# Altium PCB PA_8CH_CTRL.PcbDoc (part 2 of 11)
Units mil, origin at the board's own origin, x right, y up, seen from the top; angles counter-clockwise.
Board outline 15354.33 x 4330.71 mil, 4 copper layers (Component Side, Signal Layer 1, Power Plane, Solder Side), stack 63.149 mil thick; 907 components, 557 nets, 2683 pads, 1897 vias.
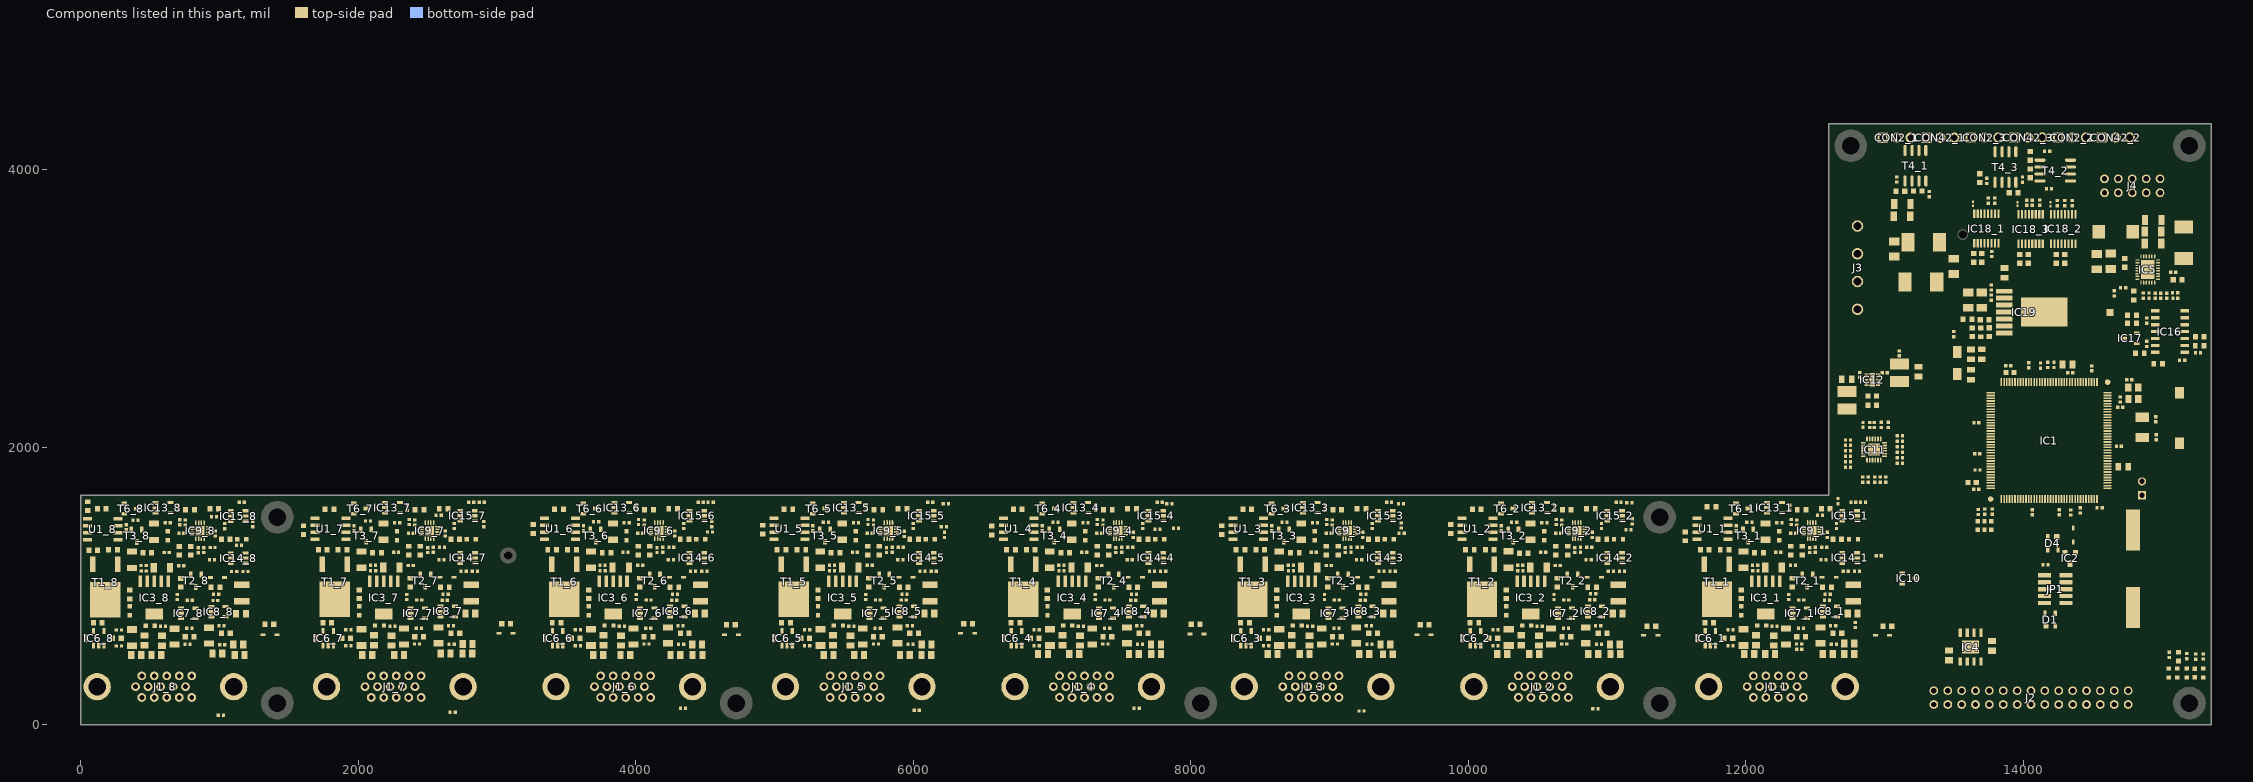
[diagram p4: the components of this part, seen from the top]

## Components (designator, comment, footprint, x,y, rotation, side; value= is the part's Value field where it differs from the comment) (continued)
R11_8 "10k" RESC1005X40N 592.91,710.71 r180 top (schematic designator R11)
R12_1 "56k" RESC1608X55N 11847.17,1262.14 r180 top (schematic designator R12)
R12_2 "56k" RESC1608X55N 10154.26,1262.14 r180 top (schematic designator R12)
R12_3 "56k" RESC1608X55N 8500.72,1262.14 r180 top (schematic designator R12)
R12_4 "56k" RESC1608X55N 6847.17,1262.14 r180 top (schematic designator R12)
R12_5 "56k" RESC1608X55N 5193.63,1262.14 r180 top (schematic designator R12)
R12_6 "56k" RESC1608X55N 3540.09,1262.14 r180 top (schematic designator R12)
R12_7 "56k" RESC1608X55N 1886.54,1262.14 r180 top (schematic designator R12)
R12_8 "56k" RESC1608X55N 233,1261 r180 top (schematic designator R12)
R13_1 "3k3" RESC1005X40N 12067.32,1149.84 r180 top (schematic designator R13)
R13_2 "3k3" RESC1005X40N 10374.41,1149.84 r180 top (schematic designator R13)
R13_3 "3k3" RESC1005X40N 8720.87,1149.84 r180 top (schematic designator R13)
R13_4 "3k3" RESC1005X40N 7067.32,1149.84 r180 top (schematic designator R13)
R13_5 "3k3" RESC1005X40N 5413.78,1149.84 r180 top (schematic designator R13)
R13_6 "3k3" RESC1005X40N 3760.24,1149.84 r180 top (schematic designator R13)
R13_7 "3k3" RESC1005X40N 2106.69,1149.84 r180 top (schematic designator R13)
R13_8 "3k3" RESC1005X40N 453.15,1148.7 r180 top (schematic designator R13)
R14 "0" RESC1005X40N 14655.51,3110.24 r270 top
R15 "10k" RESC1005X40N 15094.49,3115.16 r180 top
R16 "1M" RESC1005X40N 14863.86,3093.61 r90 top
R17_1 "56k" RESC1608X55N 12095,1240 r180 top (schematic designator R17)
R17_2 "56k" RESC1608X55N 10400,1238 r180 top (schematic designator R17)
R17_3 "56k" RESC1608X55N 8750,1240 r180 top (schematic designator R17)
R17_4 "56k" RESC1608X55N 7095,1240 r180 top (schematic designator R17)
R17_5 "56k" RESC1608X55N 5440,1240 r180 top (schematic designator R17)
R17_6 "56k" RESC1608X55N 3790,1240 r180 top (schematic designator R17)
R17_7 "56k" RESC1608X55N 2135,1240 r180 top (schematic designator R17)
R17_8 "56k" RESC1608X55N 480,1240 r180 top (schematic designator R17)
R18 "0" RESC1005X40N 14719.86,3151.61 r0 top
R19 "51k" RESC1005X40N 14905.86,3093.61 r90 top
R20 "160k" RESC1005X40N 14989.86,3092.61 r90 top
R21 "10k" RESC1005X40N 15295.28,492.13 r270 top
R22 "10k" RESC1005X40N 14244.09,3759.84 r270 top
R23 "10k" RESC1005X40N 13771.65,3393.7 r90 top
R24 "10k" RESC1005X40N 14025.59,3762.8 r270 top
R25 "10k" RESC1005X40N 14124.02,2588.58 r270 top
R26 "160k" RESC1005X40N 13769.68,3151.57 r90 top
R27 "51k" RESC1005X40N 13769.68,3078.74 r90 top
R28 "2k2" RESC1005X40N 13498.03,2815.94 r270 top
R29_1 "1k5" RESC1608X55N 11564.96,1358.27 r270 top (schematic designator R29)
R29_2 "1k5" RESC1608X55N 9875,1411.42 r270 top (schematic designator R29)
R29_3 "1k5" RESC1608X55N 8224.41,1403.54 r270 top (schematic designator R29)
R29_4 "1k5" RESC1608X55N 6563.98,1400.59 r270 top (schematic designator R29)
R29_5 "1k5" RESC1608X55N 4914.37,1407.48 r270 top (schematic designator R29)
R29_6 "1k5" RESC1608X55N 3259.84,1411.42 r270 top (schematic designator R29)
R29_7 "1k5" RESC1608X55N 1605.32,1403.54 r270 top (schematic designator R29)
R29_8 "1k5" RESC1608X55N 151.57,1558.07 r0 top (schematic designator R29)
R30 "33k" RESC1608X55N 13693.9,2828.54 r270 top
R31 "4k7" RESC1608X55N 13597.44,2922.24 r180 top
R32_1 "10k" RESC1005X40N 12535,1510 r0 top (schematic designator R32)
R32_2 "10k" RESC1005X40N 11155,1405 r180 top (schematic designator R32)
R32_3 "10k" RESC1005X40N 9520,1380 r180 top (schematic designator R32)
R32_4 "10k" RESC1005X40N 7760,1410 r0 top (schematic designator R32)
R32_5 "10k" RESC1005X40N 6225,1370 r270 top (schematic designator R32)
R32_6 "10k" RESC1005X40N 4535,1390 r180 top (schematic designator R32)
R32_7 "10k" RESC1005X40N 2580,1510 r0 top (schematic designator R32)
R32_8 "10k" RESC1005X40N 960,1500 r0 top (schematic designator R32)
R33 "82k" RESC1608X55N 14795,3095 r90 top
R34_1 "10k" RESC1005X40N 12385,545 r0 top (schematic designator R34)
R34_2 "10k" RESC1005X40N 10915,115 r0 top (schematic designator R34)
R34_3 "10k" RESC1005X40N 9230,100 r0 top (schematic designator R34)
R34_4 "10k" RESC1005X40N 7610,120 r0 top (schematic designator R34)
R34_5 "10k" RESC1005X40N 6025,105 r0 top (schematic designator R34)
R34_6 "10k" RESC1005X40N 4340,120 r0 top (schematic designator R34)
R34_7 "10k" RESC1005X40N 2680,90 r0 top (schematic designator R34)
R34_8 "10k" RESC1005X40N 1010,70 r0 top (schematic designator R34)
R37_1 "0R02" RESC3216X80N 11984.17,630 r90 top (schematic designator R37)
R37_2 "0R02" RESC3216X80N 10291.26,630 r90 top (schematic designator R37)
R37_3 "0R02" RESC3216X80N 8637.72,630 r90 top (schematic designator R37)
R37_4 "0R02" RESC3216X80N 6984.17,630 r90 top (schematic designator R37)
R37_5 "0R02" RESC3216X80N 5330.63,630 r90 top (schematic designator R37)
R37_6 "0R02" RESC3216X80N 3677.09,630 r90 top (schematic designator R37)
R37_7 "0R02" RESC3216X80N 2023.54,630 r90 top (schematic designator R37)
R37_8 "0R02" RESC3216X80N 370,628.86 r90 top (schematic designator R37)
R38_1 "4R7" RESC3216X65N 12539.17,645 r270 top (schematic designator R38)
R38_2 "4R7" RESC3216X65N 10846.26,645 r270 top (schematic designator R38)
R38_3 "4R7" RESC3216X65N 9192.72,645 r270 top (schematic designator R38)
R38_4 "4R7" RESC3216X65N 7539.17,645 r270 top (schematic designator R38)
R38_5 "4R7" RESC3216X65N 5885.63,645 r270 top (schematic designator R38)
R38_6 "4R7" RESC3216X65N 4232.09,645 r270 top (schematic designator R38)
R38_7 "4R7" RESC3216X65N 2578.54,645 r270 top (schematic designator R38)
R38_8 "4R7" RESC3216X65N 925,643.86 r270 top (schematic designator R38)
R39_1 "0R1" RESC3216X65N 12289.76,637.05 r90 top (schematic designator R39)
R39_2 "0R1" RESC3216X65N 10596.85,637.05 r90 top (schematic designator R39)
R39_3 "0R1" RESC3216X65N 8943.31,637.05 r90 top (schematic designator R39)
R39_4 "0R1" RESC3216X65N 7289.76,637.05 r90 top (schematic designator R39)
R39_5 "0R1" RESC3216X65N 5636.22,637.05 r90 top (schematic designator R39)
R39_6 "0R1" RESC3216X65N 3982.68,637.05 r90 top (schematic designator R39)
R39_7 "0R1" RESC3216X65N 2329.13,637.05 r90 top (schematic designator R39)
R39_8 "0R1" RESC3216X65N 675.59,635.91 r90 top (schematic designator R39)
R40_1 "10k" RESC1005X40N 12025,1460 r180 top (schematic designator R40)
R40_2 "10k" RESC1005X40N 10330,1460 r180 top (schematic designator R40)
R40_3 "10k" RESC1005X40N 8675,1460 r180 top (schematic designator R40)
R40_4 "10k" RESC1005X40N 7025,1460 r180 top (schematic designator R40)
R40_5 "10k" RESC1005X40N 5370,1460 r180 top (schematic designator R40)
R40_6 "10k" RESC1005X40N 3715,1465 r180 top (schematic designator R40)
R40_7 "10k" RESC1005X40N 2070,1469 r180 top (schematic designator R40)
R40_8 "10k" RESC1005X40N 395,1475 r180 top (schematic designator R40)
R43_1 "82" RESC1005X40N 11889.17,570 r0 top (schematic designator R43)
R43_2 "82" RESC1005X40N 10196.26,570 r0 top (schematic designator R43)
R43_3 "82" RESC1005X40N 8542.72,570 r0 top (schematic designator R43)
R43_4 "82" RESC1005X40N 6889.17,570 r0 top (schematic designator R43)
R43_5 "82" RESC1005X40N 5235.63,570 r0 top (schematic designator R43)
R43_6 "82" RESC1005X40N 3582.09,570 r0 top (schematic designator R43)
R43_7 "82" RESC1005X40N 1928.54,570 r0 top (schematic designator R43)
R43_8 "82" RESC1005X40N 275,568.86 r0 top (schematic designator R43)
R44_1 "82" RESC1005X40N 11889.17,685 r0 top (schematic designator R44)
R44_2 "82" RESC1005X40N 10196.26,685 r0 top (schematic designator R44)
R44_3 "82" RESC1005X40N 8542.72,685 r0 top (schematic designator R44)
R44_4 "82" RESC1005X40N 6889.17,685 r0 top (schematic designator R44)
R44_5 "82" RESC1005X40N 5235.63,685 r0 top (schematic designator R44)
R44_6 "82" RESC1005X40N 3582.09,685 r0 top (schematic designator R44)
R44_7 "82" RESC1005X40N 1928.54,685 r0 top (schematic designator R44)
R44_8 "82" RESC1005X40N 275,683.86 r0 top (schematic designator R44)
R45_1 "330" RESC1608X55N 11736.61,736.46 r0 top (schematic designator R45)
R45_2 "330" RESC1608X55N 10043.7,736.46 r0 top (schematic designator R45)
R45_3 "330" RESC1608X55N 8390.16,736.46 r0 top (schematic designator R45)
R45_4 "330" RESC1608X55N 6736.61,736.46 r0 top (schematic designator R45)
R45_5 "330" RESC1608X55N 5083.07,736.46 r0 top (schematic designator R45)
R45_6 "330" RESC1608X55N 3429.53,736.46 r0 top (schematic designator R45)
R45_7 "330" RESC1608X55N 1775.98,736.46 r0 top (schematic designator R45)
R45_8 "330" RESC1608X55N 122.44,735.31 r0 top (schematic designator R45)
R46_1 "82" RESC1005X40N 12629.17,715 r180 top (schematic designator R46)
R46_2 "82" RESC1005X40N 10936.26,715 r180 top (schematic designator R46)
R46_3 "82" RESC1005X40N 9282.72,715 r180 top (schematic designator R46)
R46_4 "82" RESC1005X40N 7629.17,715 r180 top (schematic designator R46)
R46_5 "82" RESC1005X40N 5975.63,715 r180 top (schematic designator R46)
R46_6 "82" RESC1005X40N 4322.09,715 r180 top (schematic designator R46)
R46_7 "82" RESC1005X40N 2668.54,715 r180 top (schematic designator R46)
R46_8 "82" RESC1005X40N 1015,713.86 r180 top (schematic designator R46)
R47_1 "82" RESC1005X40N 12634.17,580 r180 top (schematic designator R47)
R47_2 "82" RESC1005X40N 10941.26,580 r180 top (schematic designator R47)
R47_3 "82" RESC1005X40N 9287.72,580 r180 top (schematic designator R47)
R47_4 "82" RESC1005X40N 7634.17,580 r180 top (schematic designator R47)
R47_5 "82" RESC1005X40N 5980.63,580 r180 top (schematic designator R47)
R47_6 "82" RESC1005X40N 4327.09,580 r180 top (schematic designator R47)
R47_7 "82" RESC1005X40N 2673.54,580 r180 top (schematic designator R47)
R47_8 "82" RESC1005X40N 1020,578.86 r180 top (schematic designator R47)
R48_1 "82" RESC1005X40N 12384.25,582.91 r180 top (schematic designator R48)
R48_2 "82" RESC1005X40N 10691.34,582.91 r180 top (schematic designator R48)
R48_3 "82" RESC1005X40N 9037.8,582.91 r180 top (schematic designator R48)
R48_4 "82" RESC1005X40N 7384.25,582.91 r180 top (schematic designator R48)
R48_5 "82" RESC1005X40N 5730.71,582.91 r180 top (schematic designator R48)
R48_6 "82" RESC1005X40N 4077.17,582.91 r180 top (schematic designator R48)
R48_7 "82" RESC1005X40N 2423.62,582.91 r180 top (schematic designator R48)
R48_8 "82" RESC1005X40N 770.08,581.77 r180 top (schematic designator R48)
R49_1 "82" RESC1005X40N 12397.17,697.14 r180 top (schematic designator R49)
R49_2 "82" RESC1005X40N 10704.26,697.14 r180 top (schematic designator R49)
R49_3 "82" RESC1005X40N 9050.72,697.14 r180 top (schematic designator R49)
R49_4 "82" RESC1005X40N 7397.17,697.14 r180 top (schematic designator R49)
R49_5 "82" RESC1005X40N 5743.63,697.14 r180 top (schematic designator R49)
R49_6 "82" RESC1005X40N 4090.09,697.14 r180 top (schematic designator R49)
R49_7 "82" RESC1005X40N 2436.54,697.14 r180 top (schematic designator R49)
R49_8 "82" RESC1005X40N 783,696 r180 top (schematic designator R49)
R50_1 "10k" RESC1005X40N 12590.17,942.14 r180 top (schematic designator R50)
R50_2 "10k" RESC1005X40N 10900,945 r180 top (schematic designator R50)
R50_3 "10k" RESC1005X40N 9243.72,942.14 r180 top (schematic designator R50)
R50_4 "10k" RESC1005X40N 7590.17,942.14 r180 top (schematic designator R50)
R50_5 "10k" RESC1005X40N 5936.63,942.14 r180 top (schematic designator R50)
R50_6 "10k" RESC1005X40N 4283.09,942.14 r180 top (schematic designator R50)
R50_7 "10k" RESC1005X40N 2629.54,942.14 r180 top (schematic designator R50)
R50_8 "10k" RESC1005X40N 976,941 r180 top (schematic designator R50)
R51_1 "10k" RESC1005X40N 12310.17,922.14 r90 top (schematic designator R51)
R51_2 "10k" RESC1005X40N 10617.26,922.14 r90 top (schematic designator R51)
R51_3 "10k" RESC1005X40N 8963.72,922.14 r90 top (schematic designator R51)
R51_4 "10k" RESC1005X40N 7310.17,922.14 r90 top (schematic designator R51)
R51_5 "10k" RESC1005X40N 5656.63,922.14 r90 top (schematic designator R51)
R51_6 "10k" RESC1005X40N 4003.09,922.14 r90 top (schematic designator R51)
R51_7 "10k" RESC1005X40N 2349.54,922.14 r90 top (schematic designator R51)
R51_8 "10k" RESC1005X40N 696,921 r90 top (schematic designator R51)
R52_1 "10k" RESC1005X40N 12845,1605 r0 top (schematic designator R52)
R52_2 "10k" RESC1005X40N 11160,1600 r0 top (schematic designator R52)
R52_3 "10k" RESC1005X40N 9515,1595 r0 top (schematic designator R52)
R52_4 "10k" RESC1005X40N 7845,1595 r0 top (schematic designator R52)
R52_5 "10k" RESC1005X40N 6235,1595 r0 top (schematic designator R52)
R52_6 "10k" RESC1005X40N 4540,1605 r0 top (schematic designator R52)
R52_7 "10k" RESC1005X40N 2890,1605 r0 top (schematic designator R52)
R52_8 "10k" RESC1005X40N 1140,1295 r0 top (schematic designator R52)
R53_1 "330" RESC1608X55N 12324.17,1256.14 r90 top (schematic designator R53)
R53_2 "330" RESC1608X55N 10631.26,1256.14 r90 top (schematic designator R53)
R53_3 "330" RESC1608X55N 8977.72,1256.14 r90 top (schematic designator R53)
R53_4 "330" RESC1608X55N 7324.17,1256.14 r90 top (schematic designator R53)
R53_5 "330" RESC1608X55N 5670.63,1256.14 r90 top (schematic designator R53)
R53_6 "330" RESC1608X55N 4017.09,1256.14 r90 top (schematic designator R53)
R53_7 "330" RESC1608X55N 2363.54,1256.14 r90 top (schematic designator R53)
R53_8 "330" RESC1608X55N 710,1255 r90 top (schematic designator R53)
R54_1 "330" RESC1608X55N 12576.17,1558.14 r180 top (schematic designator R54)
R54_2 "330" RESC1608X55N 10883.26,1558.14 r180 top (schematic designator R54)
R54_3 "330" RESC1608X55N 9229.72,1558.14 r180 top (schematic designator R54)
R54_4 "330" RESC1608X55N 7576.17,1558.14 r180 top (schematic designator R54)
R54_5 "330" RESC1608X55N 5922.63,1558.14 r180 top (schematic designator R54)
R54_6 "330" RESC1608X55N 4269.09,1558.14 r180 top (schematic designator R54)
R54_7 "330" RESC1608X55N 2615.54,1558.14 r180 top (schematic designator R54)
R54_8 "330" RESC1608X55N 962,1557 r180 top (schematic designator R54)
R55_1 "330" RESC1608X55N 12334.17,1025 r90 top (schematic designator R55)
R55_2 "330" RESC1608X55N 10641.26,1025 r90 top (schematic designator R55)
R55_3 "330" RESC1608X55N 8987.72,1025 r90 top (schematic designator R55)
R55_4 "330" RESC1608X55N 7334.17,1025 r90 top (schematic designator R55)
R55_5 "330" RESC1608X55N 5680.63,1025 r90 top (schematic designator R55)
R55_6 "330" RESC1608X55N 4027.09,1025 r90 top (schematic designator R55)
R55_7 "330" RESC1608X55N 2373.54,1025 r90 top (schematic designator R55)
R55_8 "330" RESC1608X55N 720,1023.86 r90 top (schematic designator R55)
R56_1 "330" RESC1608X55N 12408.17,1256.14 r270 top (schematic designator R56)
R56_2 "330" RESC1608X55N 10715.26,1256.14 r270 top (schematic designator R56)
R56_3 "330" RESC1608X55N 9061.72,1256.14 r270 top (schematic designator R56)
R56_4 "330" RESC1608X55N 7408.17,1256.14 r270 top (schematic designator R56)
R56_5 "330" RESC1608X55N 5754.63,1256.14 r270 top (schematic designator R56)
R56_6 "330" RESC1608X55N 4101.09,1256.14 r270 top (schematic designator R56)
R56_7 "330" RESC1608X55N 2447.54,1256.14 r270 top (schematic designator R56)
R56_8 "330" RESC1608X55N 794,1255 r270 top (schematic designator R56)
R57_1 "10k" RESC1005X40N 12586,1370 r270 top (schematic designator R57)
R57_2 "10k" RESC1005X40N 10893,1370 r270 top (schematic designator R57)
R57_3 "10k" RESC1005X40N 9240,1370 r270 top (schematic designator R57)
R57_4 "10k" RESC1005X40N 7586,1370 r270 top (schematic designator R57)
R57_5 "10k" RESC1005X40N 5934,1377 r270 top (schematic designator R57)
R57_6 "10k" RESC1005X40N 4280,1379 r270 top (schematic designator R57)
R57_7 "10k" RESC1005X40N 2626,1379 r270 top (schematic designator R57)
R57_8 "10k" RESC1005X40N 969,1379 r270 top (schematic designator R57)
R58_1 "15k" RESC1005X40N 12560.17,1190.14 r180 top (schematic designator R58)
R58_2 "15k" RESC1005X40N 10867.26,1190.14 r180 top (schematic designator R58)
R58_3 "15k" RESC1005X40N 9213.72,1190.14 r180 top (schematic designator R58)
R58_4 "15k" RESC1005X40N 7560.17,1190.14 r180 top (schematic designator R58)
R58_5 "15k" RESC1005X40N 5906.63,1190.14 r180 top (schematic designator R58)
R58_6 "15k" RESC1005X40N 4253.09,1190.14 r180 top (schematic designator R58)
R58_7 "15k" RESC1005X40N 2599.54,1190.14 r180 top (schematic designator R58)
R58_8 "15k" RESC1005X40N 946,1189 r180 top (schematic designator R58)
R59_1 "10k" RESC1005X40N 12367.17,1459.14 r90 top (schematic designator R59)
R59_2 "10k" RESC1005X40N 10674.26,1459.14 r90 top (schematic designator R59)
R59_3 "10k" RESC1005X40N 9020.72,1459.14 r90 top (schematic designator R59)
R59_4 "10k" RESC1005X40N 7367.17,1459.14 r90 top (schematic designator R59)
R59_5 "10k" RESC1005X40N 5713.63,1459.14 r90 top (schematic designator R59)
R59_6 "10k" RESC1005X40N 4060.09,1459.14 r90 top (schematic designator R59)
R59_7 "10k" RESC1005X40N 2406.54,1459.14 r90 top (schematic designator R59)
R59_8 "10k" RESC1005X40N 753,1458 r90 top (schematic designator R59)
R60 "2k2" RESC1005X40N 12977,2162 r270 top
R61 "2k2" RESC1005X40N 12735.87,2053.25 r180 top
R62 "2k2" RESC1005X40N 13026,2162 r270 top
R63 "2k2" RESC1005X40N 12735.87,2013.88 r180 top
R64 "2k2" RESC1005X40N 12735.87,1974.51 r180 top
R65 "2k2" RESC1005X40N 12735.87,1935.14 r180 top
R66 "0" RESC1005X40N 13109.88,2082.78 r180 top
R67 "0" RESC1005X40N 12893.35,2161.52 r270 top
R68 "2k2" RESC1005X40N 12735.87,1895.77 r180 top
R69 "0" RESC1005X40N 12926,2161 r270 top
R70 "2k2" RESC1005X40N 12735.87,1856.4 r180 top
R71 "2k2" RESC1005X40N 12841.82,1767.5 r270 top
R72 "2k2" RESC1005X40N 12881.19,1767.5 r270 top
R73 "2k2" RESC1005X40N 12930.4,1767.5 r270 top
R74 "2k2" RESC1005X40N 12969.77,1767.5 r270 top
R75 "2k2" RESC1005X40N 13009.14,1767.5 r270 top
R76 "2k2" RESC1005X40N 13109.88,1885.93 r0 top
R77 "2k2" RESC1005X40N 13109.88,1925.3 r0 top
R78 "2k2" RESC1005X40N 13109.88,1964.67 r0 top
R79 "2k2" RESC1005X40N 13109.88,2004.04 r0 top
R80 "2k2" RESC1005X40N 13109.88,2043.41 r0 top
R81 "270k" RESC1608X55N 12911.2,2370.26 r0 top
R82 "82k" RESC1608X55N 12911,2305 r180 top
R83 "0" RESC1005X40N 12788,720 r270 top
R84_1 "330" RESC1608X55N 12585.17,993.14 r0 top (schematic designator R84)
R84_2 "330" RESC1608X55N 10892.26,993.14 r0 top (schematic designator R84)
R84_3 "330" RESC1608X55N 9238.72,993.14 r0 top (schematic designator R84)
R84_4 "330" RESC1608X55N 7585.17,993.14 r0 top (schematic designator R84)
R84_5 "330" RESC1608X55N 5931.63,993.14 r0 top (schematic designator R84)
R84_6 "330" RESC1608X55N 4278.09,993.14 r0 top (schematic designator R84)
R84_7 "330" RESC1608X55N 2624.54,993.14 r0 top (schematic designator R84)
R84_8 "330" RESC1608X55N 971,992 r0 top (schematic designator R84)
R85_1 "10k" RESC1005X40N 12801.17,1106.14 r180 top (schematic designator R85)
R85_2 "10k" RESC1005X40N 11108.26,1106.14 r180 top (schematic designator R85)
R85_3 "10k" RESC1005X40N 9454.72,1106.14 r180 top (schematic designator R85)
R85_4 "10k" RESC1005X40N 7801.17,1106.14 r180 top (schematic designator R85)
R85_5 "10k" RESC1005X40N 6147.63,1106.14 r180 top (schematic designator R85)
R85_6 "10k" RESC1005X40N 4494.09,1106.14 r180 top (schematic designator R85)
R85_7 "10k" RESC1005X40N 2840.54,1106.14 r180 top (schematic designator R85)
R85_8 "10k" RESC1005X40N 1187,1105 r180 top (schematic designator R85)
R86_1 "10k" RESC1005X40N 12315.38,1564.81 r90 top (schematic designator R86)
R86_2 "10k" RESC1005X40N 10622.47,1564.81 r90 top (schematic designator R86)
R86_3 "10k" RESC1005X40N 8968.93,1564.81 r90 top (schematic designator R86)
R86_4 "10k" RESC1005X40N 7315.38,1564.81 r90 top (schematic designator R86)
R86_5 "10k" RESC1005X40N 5661.84,1564.81 r90 top (schematic designator R86)
R86_6 "10k" RESC1005X40N 4008.3,1564.81 r90 top (schematic designator R86)
R86_7 "10k" RESC1005X40N 2354.75,1564.81 r90 top (schematic designator R86)
R86_8 "10k" RESC1005X40N 701.21,1563.67 r90 top (schematic designator R86)
R87_1 "56k" RESC1608X55N 12402.17,1550.14 r180 top (schematic designator R87)
R87_2 "56k" RESC1608X55N 10709.26,1550.14 r180 top (schematic designator R87)
R87_3 "56k" RESC1608X55N 9055.72,1550.14 r180 top (schematic designator R87)
R87_4 "56k" RESC1608X55N 7402.17,1550.14 r180 top (schematic designator R87)
R87_5 "56k" RESC1608X55N 5748.63,1550.14 r180 top (schematic designator R87)
R87_6 "56k" RESC1608X55N 4095.09,1550.14 r180 top (schematic designator R87)
R87_7 "56k" RESC1608X55N 2441.54,1550.14 r180 top (schematic designator R87)
R87_8 "56k" RESC1608X55N 788,1549 r180 top (schematic designator R87)
R88_1 "10k" RESC1005X40N 12720.17,1106.14 r0 top (schematic designator R88)
R88_2 "10k" RESC1005X40N 11027.26,1106.14 r0 top (schematic designator R88)
R88_3 "10k" RESC1005X40N 9373.72,1106.14 r0 top (schematic designator R88)
R88_4 "10k" RESC1005X40N 7720.17,1106.14 r0 top (schematic designator R88)
R88_5 "10k" RESC1005X40N 6066.63,1106.14 r0 top (schematic designator R88)
R88_6 "10k" RESC1005X40N 4413.09,1106.14 r0 top (schematic designator R88)
R88_7 "10k" RESC1005X40N 2759.54,1106.14 r0 top (schematic designator R88)
R88_8 "10k" RESC1005X40N 1106,1105 r0 top (schematic designator R88)
R89_1 "10k" RESC1005X40N 12664.17,1612.14 r90 top (schematic designator R89)
R89_2 "10k" RESC1005X40N 11181.1,1466.54 r90 top (schematic designator R89)
R89_3 "10k" RESC1005X40N 9517.72,1437.01 r90 top (schematic designator R89)
R89_4 "10k" RESC1005X40N 7893.7,1417.32 r0 top (schematic designator R89)
R89_5 "10k" RESC1005X40N 6220.47,1427.17 r0 top (schematic designator R89)
R89_6 "10k" RESC1005X40N 4547.24,1446.85 r90 top (schematic designator R89)
R89_7 "10k" RESC1005X40N 2903.54,1446.85 r90 top (schematic designator R89)
R89_8 "10k" RESC1005X40N 1240.16,1446.85 r90 top (schematic designator R89)
R90_1 "82" RESC1005X40N 12653.17,1433.14 r90 top (schematic designator R90)
R90_2 "82" RESC1005X40N 10960.26,1433.14 r90 top (schematic designator R90)
R90_3 "82" RESC1005X40N 9306.72,1433.14 r90 top (schematic designator R90)
R90_4 "82" RESC1005X40N 7653.17,1433.14 r90 top (schematic designator R90)